# KiCad board B1_panel.kicad_pcb (continued)
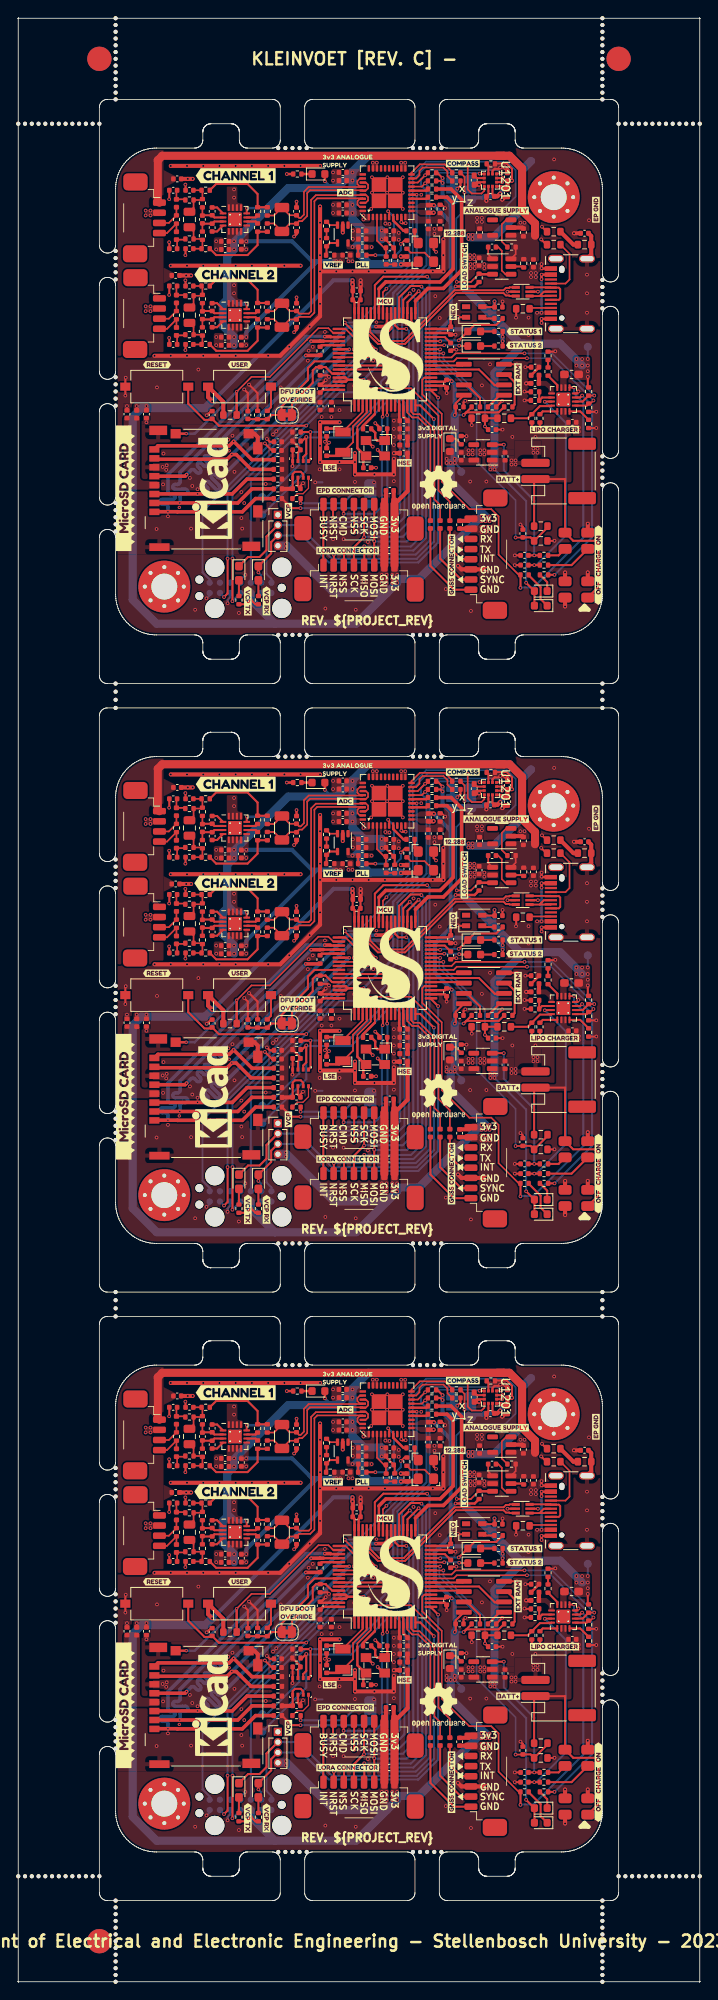
[diagram p0: board, top side]
## Routing (per net, layer and track width the routed paths; a pad name or vN(x,y) marks a point on that pad's centre or on a via; arc(x,y) is an arc through that point) (continued)
  Top w0.3: 37.6,127.21 U101#2.52
  Top w0.44: R202.1 28.8,109 27.06,107.26 v2(19.91,107.26) J204#3.2 ; 37.6,127.21 37.19,127.21 37.19,127.2 v2(36.1,127.2)
  Bottom w0.44: v2(36.1,127.2) 19.95,111.05 19.95,109.85 arc(19.86,109.64) 19.65,109.55 19.35,109.55 arc(19.14,109.46) 19.05,109.25 arc(19.14,109.04) 19.35,108.95 20.6,108.95 arc(20.81,108.86) 20.9,108.65 arc(20.81,108.44) 20.6,108.35 20.25,108.35 arc(20.04,108.26) 19.95,108.05 19.95,107.3 v2(19.91,107.26)
Board1_1-/SRAM_MISO: length 9.8
  Top w0.25: 59.88,121.76 58.74,121.76 56.79,123.71 53.9,123.71 53.9,123.71 U101#2.22
Board1_1-/SRAM_MOSI: length 4.1
  Top w0.25: U1301#2.5 54.78,124.21 U101#2.23
Board1_1-/SRAM_SCK: length 4.1
  Top w0.25: U101#2.21 54.8,123.21 U1301#2.6
Board1_1-/SWCLK: length 43
  Top w0.2: U101#2.49 40.34,128.71 43.08,125.97 v1(43.08,125.92)
  Top w0.25: v1(25.8,100.4) 25.8,96.1 v1(25.36,95.66)
  Bottom w0.25: v1(25.8,100.4) 25.8,108.6 43.08,125.88 v1(43.08,125.92) ; v1(25.36,95.66) 24.86,96.16
Board1_1-/SWDIO: length 44.9
  Top w0.2: U101#2.46 42.45,127.82 43.44,126.82 43.45,126.82 44.08,126.2 v1(44.08,126.18)
  Top w0.25: v1(26.4,95.15) v1(26.4,100.4)
  Bottom w0.25: v1(26.4,100.4) 26.4,108.5 v1(44.08,126.18) ; v1(26.4,95.15) 26.4,95.16 27.4,96.16
Board1_1-/SWO: length 39.4
  Top w0.2: U101#2.55 39.53,125.7 42.16,125.7 v1(42.18,125.72)
  Bottom w0.25: J202#3.8 23.59,97.84 22.71,98.71 22.71,106.21 42.18,125.68 v1(42.18,125.72)
Board1_1-/USB_DN: length 23.5
  Top w0.23: 61.32,133.84 60.57,133.84 60.5,133.77 60.11,133.77 59.82,133.48 53.78,133.48 47.53,127.23 44.47,127.23 43.38,128.32 43.38,129.4 43.45,129.47 U101#2.44
Board1_1-/USB_DP: length 24.1
  Top w0.23: 61.32,132.76 60.57,132.76 60.5,132.83 60.11,132.83 59.82,133.12 53.92,133.12 47.67,126.87 44.33,126.87 43.02,128.18 43.02,129.4 42.95,129.47 U101#2.45
Board1_1-/USR_BTN: length 15.7
  Top w0.25: U101#2.57 36.51,124.71 35.7,123.9 35.7,122.4 32.45,119.15 JP101#2.2 31.21,118.1 R108#2.1 R1.2 28.33,117.59 CB107#2.2
Board1_1-/V_MONITOR: length 33.2
  Top w0.2: U101#2.27 51.98,126.21 v1(52,126.18) ; v1(61.3,103) 62.18,103 CB906#3.1
  Top w0.25: R913.2 65.23,104.24 R914#3.1 63.15,103.02 CB906#3.1
  Bottom w0.2: v1(52,126.18) 51.9,126.08 51.9,124.93 56.5,120.33 56.5,112.39 61.3,107.59 v1(61.3,103)
Board1_1-/VCAP: length 2.7
  Top w0.25: C101#3.1 52.57,127.71 U101#2.30
Board1_1-/VCP_RX: length 48.3
  Top w0.25: U101#2.17 50.88,121.12 v1(51.75,120.25) ; v1(29.6,98.7) D101.1 31.18,101.05 31.18,102.44 J203#3.3
  Bottom w0.25: v1(29.6,98.7) 29.94,98.36 J202#3.13 ; J203#3.3 34.94,103.26 38.28,99.93 49.3,99.93 51.75,102.38 v1(51.75,120.25)
Board1_1-/VCP_TX: length 55.7
  Top w0.25: J203#3.2 30.6,103.13 30.6,101.46 29.74,100.6 28.32,100.6 D102#3.1 ; v1(51.22,117.6) 49.54,119.28 U101#2.16
  Bottom w0.25: J202#3.14 31.21,97.9 30.6,98.51 30.6,103.13 J203#3.2 34.53,104.53 38.68,100.38 49.11,100.38 51.22,102.49 v1(51.22,117.6)
Board1_1-/~{RST}: length 52
  Top w0.25: v1(43.85,120.9) 44.45,120.3 U101#2.7 ; SW101#3.1 20.95,119.5 22.95,117.5 23.78,117.5 CB102.1 24.74,116.78 35.48,116.78 v1(35.5,116.8)
  Bottom w0.25: v1(43.85,120.9) 39.6,120.9 v1(35.5,116.8) 28.67,109.97 J202#3.12
Board1_1-Earth: length 3.5
  Top w0.5: J206.S1 70.62,137.89 R211#2.2 70.62,140.16 C203#2.1
  vias: v1(70.1,135.4) v1(70.1,133.1) v1(70.1,130.7)
Board1_1-GND: length 293.5
  Top w0.2: R403.2 52.22,144.01 v1(52.63,143.6)
  Top w0.25: v1(59.65,119.85) 58.91,119.11 R1303#2.2 ; C204.2 31.27,113.73 v1(30.4,114.6) ; v1(27.85,121.25) 28.3,120.8 CB107#2.1 ; U1201#3.8 57.95,145.28 CB1202#2.2 ; C801.2 20.62,126.12 v1(20.6,126.1) ; U201#3.2 v1(60.3,133.3) ; CB904#2.2 v1(61.2,100.8) ; CB102.2 23.75,118.58 v1(23.23,118.07) ; v1(59.64,146.8) U1201#3.11 ; CB108.2 59.68,132.08 v1(59.7,132.1) ; CB201.2 31,114.8 v1(30.65,115.15) ; R208#2.1 65.1,139.1 v1(64.45,139.75) ; C602#2.1 18.62,127.58 v1(18.6,127.6) ; C904#2.2 v1(62.5,124) ; C501#2.2 18.62,144.72 v1(18.6,144.7) ; C702.2 20.62,146.48 v1(20.6,146.5) ; v1(18.6,139.4) 18.62,139.38 C502#3.1 ; C107#2.2 42.18,133.38 CB105.2 ; C701#2.2 20.62,137.82 v1(20.6,137.8) ; R906#3.2 v1(62.4,119.9) ; v1(66.2,125.95) 66.16,125.91 R903#2.2 ; C101#3.2 53.43,126.15 v1(54,126.15) ; v1(13.25,122.7) 13.2,122.65 SW101#3.2 v1(13.2,120.5) ; R907#3.2 71.24,116.49 v1(71.25,116.5) ; v1(18.6,132.9) 18.62,132.92 C601.2 ; v1(33.8,111.8) 33.82,111.82 33.82,112.43 33.82,112.43 CB1410.2 ; v1(61.35,130.1) 61.38,130.12 R209#3.1 ; CB903.2 v1(61.2,99.6) ; v1(20.6,134.7) 20.62,134.68 C802#3.2 ; R909#3.2 v1(64.3,116.45) ; v1(38.3,122.8) 38.11,122.99 R101#2.2 ; U1301#2.4 61.44,124.35 v1(61.45,124.35) ; R1.1 29.5,120.8 v1(28.44,121.86) ; v1(55.9,116.85) 55.88,116.88 R916.2 ; R901#2.2 v1(63.3,116.5) ; CB906#3.2 62.2,104.3 v1(61.9,104.6) ; C105#3.2 38.01,114.41 v1(38.3,114.7) ; CB1301#2.2 54.88,119.63 v1(55.1,119.85) ; D105.2 54.25,130.15 v1(54.2,130.2) ; C106#3.2 38.01,115.01 v1(37.8,114.8) ; v1(51.5,138.2) 51.2,138.5 X401#3.2 ; R919#2.1 55.24,115.51 v1(55.25,115.5) ; v1(59.99,148.6) 59.98,148.61 v1(59.41,148.61) 59.25,148.45 58.72,148.45 58.45,148.18 U1201#3.2 ; R917.2 71.24,118.49 v1(71.25,118.5) ; R914#3.2 66.09,102.59 v1(66.1,102.6) ; U901.8 68.81,120.76 v1(69.05,121) ; R210#2.1 65.15,140.7 v1(64.55,141.3) ; U1401#2.7 34.47,109.33 CB1409#2.2 34.78,109.38 v1(35.1,109.7) ; R904.2 62.44,120.96 v1(62.4,121) ; C907#3.2 56.72,136.52 ; v1(59.68,147.31) 59.67,147.3 U1201#3.12 ; CB907#3.2 v1(59.7,116.3) ; C1201.1 56.52,146.8 U1201#3.6
  Top w0.3: v1(34,140.1) 34.3,140.4 C709#2.1 ; v1(34.8,136.5) v1(32.8,136.5) v1(30.8,136.5) v1(28.8,136.5) v1(26.8,136.5) v1(24.8,136.5) v1(22.8,136.5) v1(20.8,136.5) v1(18.8,136.5) ; v1(64.5,129.45) v1(64.5,129.95) J206.A1 ; C811#2.2 v1(34.3,132.6) ; v1(37.9,122.4) 37.33,121.83 CB103#3.2 37.33,121.71 U101#2.63 ; C102#3.2 v1(44.1,111.6) ; CB902.2 46.95,117.47 U101#2.12 ; Y101#2.2 45.05,113.05 v1(44.3,113.8) ; v1(52.4,139.75) v1(52.4,137.8) v1(52.4,135.8) v1(51.1,135.8) v1(45.2,135.8) v1(43.2,135.8) v1(41.2,135.8) v1(39.2,135.8) v1(37.2,135.8) v1(37.2,137.8) v1(37.2,139.8) v1(37.2,141.8) v1(37.2,143.8) ; U101#2.18 52.56,121.71 CB104.2 v1(52.8,120.8) ; R918#2.1 v1(33.1,147.8) ; U101#2.47 41.95,132.07 CB105.2 ; v1(18.8,148.8) v1(20.8,148.8) v1(22.8,148.8) v1(24.8,148.8) v1(26.8,148.8) v1(28.8,148.8) v1(30.8,148.8) v1(32.8,148.8) v1(34.8,148.8) v1(37.2,148.8) ; C104.2 44.52,116.58 v1(44,117.1) ; U401#3.9 v1(47.22,141.88) 47.35,141.75 v1(47.75,141.75) ; Y101#2.4 42.95,114.95 v1(43.7,114.2) ; J206.A12 64.55,136.15 v1(64.5,136.2) v1(64.5,136.7) ; C809#3.1 34.3,128.6 v1(34,128.3) ; U101#2.31 53.11,128.21 CB101#2.2 53.88,128.02 v1(53.9,128) ; C711#2.2 v1(34.3,144.4)
  Top w0.5: C1201.1 56.78,146.48 v1(56.8,146.5) ; SW901#3.5 v1(67.4,94.5) ; SW901#3.2 v1(70.2,98.7) ; v1(46.3,112.7) v1(46.3,110.8) 46.28,110.78 v1(43.9,110.78) 41.53,110.78 v1(41.5,110.8) v1(41.5,112.3) v1(39.6,112.3) v1(37.2,112.3) v1(37.2,114.3) v1(37.2,117.2) v1(39.6,117.2) ; v1(21.3,135.3) v1(20.7,135.3) C416.2 ; v1(57.7,99.1) 57.68,99.07 J301#3.6 54.62,99.07 v1(54.2,99.5) ; v1(16.8,125.4) v1(18.8,125.4) v1(20.8,125.4) v1(22.8,125.4) v1(24.8,125.4) v1(26.8,125.4) v1(30.8,125.4) 32.29,125.4 v1(33.4,126.51) 33.43,126.51 v1(35.92,129) 37.2,130.28 v1(37.2,131.8) v1(37.2,133.9) v1(37.2,135.8) ; v1(37.2,135.8) v1(37.2,143.8) ; v1(37.2,135.8) v1(52.4,135.8) v1(52.4,139.75) ; C203#2.2 v1(68.5,140.5) ; v1(51.2,143.05) 51.17,143.02 C408#2.2 ; U903#2.2 62.14,141.2 C905.2 ; C901.2 v1(46.3,113.4) ; v1(42.2,134.7) v1(42.2,134.2) C107#2.2 ; v1(18.8,136.5) v1(34.8,136.5) ; v1(21.5,147.2) v1(20.9,147.2) C417.2 ; CB1201#2.2 59.97,144.97 v1(59.65,144.65) ; CB1202#2.2 57.7,145.03 v1(57.7,144.5) ; C908#3.2 v1(62.6,122) ; U402#3.2 v1(40,140.6) ; J204#3.9 29.1,115.8 29.53,115.38 J204#3.11 ; J301#3.2 55.78,104.1 C306#2.2 ; v1(18.8,148.8) v1(37.2,148.8) ; C1202#2.2 60.3,148.29 v1(59.99,148.6) ; SW901#3.6 v1(67.4,98.7) ; SW901#3.4 v1(70.2,104.7) ; J207#2.2 45.32,107.29 C205#2.2 ; 41.5,112.4 v1(41.5,113.4) ; v1(47.15,137.65) 47.17,137.63 CB401.2
  Top w1: J207#2.2 J205.2
  Bottom w0.25: v1(23.2,95.5) 23.59,95.89 23.59,96.16 ; J202#3.11 27.4,97.8 v1(28,98.4) ; v1(25.8,94.9) 25.8,95.29 26.13,95.62 26.13,96.16 ; 37.5,109.8 v1(36.6,109.8) ; 55.2,147.45 55.35,147.6 55.54,147.6
  vias: v1(13.4,119.2) v1(15.7,143.3) v1(15.7,142.7) v1(15.7,131.5) v1(15.7,130.9) v1(15.8,117.2) v1(16.3,143.3) v1(16.3,142.7) v1(16.3,131.5) v1(16.3,130.9) v1(17.1,121.5) v1(17.05,104.05) v1(17.8,111.7) v1(17.85,109.55) v1(17.9,113.35) v1(18.24,111.35) v1(18.3,111.9) v1(18.45,105.61) v1(21.16,110.35) v1(21.3,104.1) v1(21.45,109.35) v1(21.8,94.1) v1(22.1,108.95) v1(22.2,123.7) v1(24.4,139.51) v1(24.4,138.51) v1(24.4,127.71) v1(24.4,126.71) v1(25.9,115.05) v1(26.4,115.55) v1(26.6,145.9) v1(26.6,144.9) v1(26.6,134.1) v1(26.6,133.1) v1(26.65,111.1) v1(27.2,93.7) v1(27.5,108.6) v1(27.5,105.4) v1(27.6,104.1) v1(27.85,107.25) v1(28.1,138.51) v1(28.1,126.71) v1(30.5,109.6) v1(32.35,121.5) v1(35.7,124.8) v1(35.8,126.02) v1(36.3,126.5) v1(37.15,111.4) v1(37.4,117.85) v1(37.8,128.34) v1(37.85,94.25) v1(38.6,117.85) v1(38.8,148) v1(38.8,147) v1(38.8,144) v1(38.8,143) v1(38.8,102.8) v1(39.6,118.7) v1(39.6,111.4) v1(40.1,102.8) v1(40.15,97.6) v1(40.7,137.05) v1(41.25,140.8) v1(41.25,139.8) v1(41.2,137.05) v1(41.35,126.19) v1(41.4,121.7) v1(41.5,109.85) v1(41.6,94.1) v1(42.55,142.7) v1(42.55,142.2) v1(42.6,97.55) v1(43.1,102.45) v1(43.17,122.27) v1(43.5,143.5) v1(43.6,147.4) v1(43.6,145.5) v1(43.55,138.8) v1(43.7,149.2) v1(43.75,124.8) v1(43.85,109.8) v1(44.2,149.2) v1(44.8,98.4) v1(44.8,97.9) v1(44.8,97.4) v1(45.25,141.7) v1(45.25,126.4) v1(45.4,98.4) v1(45.4,97.9) v1(45.4,97.4) v1(45.5,147.4) v1(45.47,145.5) v1(45.5,127.75) v1(45.55,132.15) v1(45.75,141.65) v1(46.3,117.4) v1(46.3,116.4) v1(46.3,115.4) v1(46.3,114.4) v1(46.3,109.95) v1(46.8,123.75) v1(46.9,140.55) v1(46.9,139.7) v1(47.2,149.2) v1(47.4,147.4) v1(47.4,145.5) v1(47.4,143.5) v1(47.6,122.2) v1(47.7,149.2) v1(47.91,129.29) v1(48.72,133.52) v1(49.68,145.25) v1(51.3,141.05) v1(51.3,140.45) v1(51.4,132.75) v1(51.95,130.05) v1(52.7,96.65) v1(53.4,98) v1(54.6,101.6) v1(55.5,113.75) v1(55.5,113.25) v1(55.7,109.9) v1(55.75,136.7) v1(55.75,136.2) v1(55.8,93.95) v1(56,113.75) v1(56,113.25) v1(56.25,136.7) v1(56.25,136.2) v1(56.55,142.4) v1(56.55,141.9) v1(56.95,113.75) v1(56.95,113.25) v1(57.1,104.3) v1(57.1,103.7) v1(57.15,142.4) v1(57.15,141.9) v1(57.15,121.75) v1(57.45,136.7) v1(57.45,136.2) v1(57.45,113.75) v1(57.45,113.25) v1(57.6,104.3) v1(57.6,103.7) v1(57.7,109.9) v1(58.1,104.3) v1(58.1,103.7) v1(58.15,124.35) v1(60.8,112.5) v1(60.8,112) v1(60.9,115.4) v1(61.3,112.5) v1(61.3,112) v1(61.9,141.8) v1(62.4,141.8) v1(62.9,130.1) v1(62.9,127.95) v1(63.2,135.6) v1(63.2,135.1) v1(63.5,113.95) v1(63.5,113.45) v1(63.8,135.6) v1(63.8,135.1) v1(63.75,115.4) v1(64,113.95) v1(64,113.45) v1(66.05,149.6) v1(68.5,116.55) v1(68.5,116.05) v1(69.1,116.55) v1(69.1,116.05) v1(70.35,142.1) v2(19.85,106.71) v2(26,113.7) v2(44.15,129.55)
Board1_1-Net-(C104-Pad1): length 4.3
  Top w0.3: R106.1 44,115.91 44,115.2 44.25,114.95 Y101#2.3 45.48,115.27 C104.1
Board1_1-Net-(D101-A): length 1.9
  Top w0.25: D101.2 R102#3.2
Board1_1-Net-(D102-A): length 1.9
  Top w0.25: D102#3.2 R103#3.2
Board1_1-Net-(D103-A): length 1.7
  Top w0.25: D103.2 R105.1
Board1_1-Net-(D104-A): length 1.7
  Top w0.25: D104#3.2 R107#2.1
Board1_1-Net-(D105-DIN): length 1.6
  Top w0.25: D105.3 57.35,130 R104#3.1
Board1_1-Net-(D901-K): length 2.4
  Top w0.25: R905.2 65.2,97.5 D901.1
Board1_1-Net-(D902-K): length 4.7
  Top w0.25: R908.2 62.92,98.35 64.38,96.88 64.38,95.41 D902#3.1
Board1_1-Net-(D903-K): length 1.3
  Top w0.3: D903.1 R918#2.2
Board1_1-Net-(D904-K): length 1.7
  Top w0.25: D904#3.1 53.9,115.19 R919#2.2
Board1_1-Net-(J301-Pin_5): length 5.6
  Top w0.25: 53.2,104.12 53.2,101.7 54.57,100.32 J301#3.5
Board1_1-Net-(JP401-C): length 2.7
  Top w0.2: v1(55,145.5) 55.01,145.51 55.01,147.45 R408.2
Board1_1-Net-(JP402-C): length 1.1
  Top w0.25: v1(54.12,145.99) 54.51,146.39 R407.2
Board1_1-Net-(R108-Pad2): length 3.2
  Top w0.25: R108#2.2 31.15,119.06 SW102.2
Board1_1-Net-(R210-Pad2): length 2.8
  Top w0.5: R210#2.2 68.43,139.1 R211#2.1
Board1_1-Net-(R902-Pad2): length 0.9
  Top w0.25: R902#3.2 R903#2.1
Board1_1-Net-(U401-ADDR0/CLATCH): length 6.9
  Top w0.2: U401#3.19 49.05,147.25 49.45,147.65 49.45,148.2 49.85,148.6 52.41,148.6 52.9,148.11 52.9,147.54 R407.1
Board1_1-Net-(U401-ADDR1/CIN): length 6.2
  Top w0.2: U401#3.20 48.47,147.97 49.5,149 52.57,149 53.49,148.08 R408.1
Board1_1-Net-(U903-EN): length 4.5
  Top w0.2: R921#3.1 59.6,139.49 59.6,141.6 60.15,142.15 U903#2.3
Board1_1-Net-(U904-QOD): length 1.6
  Top w0.25: U904.5 62.19,136.4 R922.1
Board1_1-Net-(U1301-NU): length 4.9
  Top w0.25: U1301#2.3 60.25,123.09 61.18,122.16 61.18,119.37 R1301#2.2
Board1_1-Net-(U1301-~{CS}): length 2.6
  Top w0.25: R1303#2.1 59.34,120.54 U1301#2.1
Board1_1-Net-(U1301-~{HOLD}): length 3.8
  Top w0.25: R1302#2.2 56.91,120.21 55.3,121.81 U1301#2.7
Board1_1-Net-(X401-Tri-State): length 4
  Top w0.2: X401#3.1 50.09,138.11 48.38,138.11 R404#3.2
Board1_1-VBUS: length 9.7
  Top w0.25: U201#3.5 v1(64.05,133.3)
  Top w0.3: C904#2.1 64.18,123.97 63.22,123 ; J206.A9 v1(64.5,135.4) v1(64.5,134.85)
  Bottom w0.3: v1(64.5,135.4) 64.5,133.3 ; 64.5,133.3 v1(64.05,133.3) ; 64.5,133.3 v1(64.5,130.7) v1(63.95,130.7)
Board1_1-VCC: length 66.9
  Top w0.2: U904.1 57.92,137.89 C912.2
  Top w0.25: D105.4 57.25,131.4 CB108.1 58.72,132.08 v1(58.7,132.1) ; D902#3.2 D901.2 v1(62.6,97.42) ; R912#3.2 70.2,121.61 v1(70.2,122.8)
  Bottom w0.25: v1(62.6,97.42) 62.6,107.5 v1(58.7,111.4) ; v1(70.2,125) 70.2,126.2 70.5,126.5
  Bottom w0.5: v1(58.7,132.1) 58.7,130.05 59,129.75
  Bottom w1: 62.33,126.9 66.8,126.9 v1(69.5,124.2) ; 62.33,126.9 61.85,126.9 54.9,133.85 54.9,135.85 54.9,135.85 54.9,137.25 55.05,137.4 ; 62.33,126.9 58.7,123.27 v1(58.7,111.9)
  vias: v1(55.7,137.8) v1(55.7,137.3) v1(56.2,137.8) v1(56.2,137.3) v1(58.2,111.9) v1(58.2,111.4) v1(68.8,125) v1(68.8,124.2) v1(69.5,125) v1(70.2,124.2) v1(70.2,123.5)
Board1_1-VCC_LOAD_SWITCH: length 62.6
  Top w0.2: U904.6 61.31,137.92 R921#3.2
  Top w1: 63.7,140.2 63.7,141.7 62.1,143.3 62.1,148.5 60.55,150.05 59,150.05 ; 59.85,150.05 59.85,150.05 17.75,150.05 17.2,149.5 17.2,144.47 J501.4
Board1_2-+3.3VA: length 3.1
  Top w0.3: U101.13 47.45,42.97 47.98,42.44 CB902#3.1
  Top w0.5: FB901#2.2 47.98,39.41 C902.1
Board1_2-+3.3VADC: length 114.6
  Top w0.2: R404.1 47.58,64.61 v1(47.16,64.18)
  Top w0.25: U701#3.12 28.16,68.56 v1(28.2,68.6) ; C403#3.1 45.32,64.67 46.4,63.59 R414#3.2 ; U801#2.12 28.16,56.76 v1(28.2,56.8) ; C415#2.1 41.89,63.77 R413#2.2
  Top w0.3: D903#3.2 37.8,72.79 v1(37.8,71.9)
  Top w0.5: v1(47.17,61.65) 47.19,61.67 CB401#3.1 48.97,61.67 X401.4
  Bottom w0.25: v1(47.16,64.18) 47.16,63.44 45.42,61.7 43.3,61.7
  Bottom w0.3: 39.28,71.07 38.62,71.07 v1(37.8,71.9) ; 31,68.8 30.8,68.6 v1(28.2,68.6)
  Bottom w0.5: v1(28.2,56.8) 26.95,56.8 25.75,58 ; v1(41.2,63.8) 41.83,64.43 42.15,64.43
  Bottom w1: v1(26.6,51.71) v1(26.6,52.71) 25.2,54.11 25.2,56.77 25.75,57.32 25.75,62.66 v1(26.6,63.51) 26.6,64.4 33.28,71.07 39.28,71.07 v1(41.2,73) ; 41.2,67.24 42.59,65.85 v1(44.8,65.85) v1(44.8,64.75) ; 41.2,67.24 42.15,66.29 42.15,64.43 ; 41.2,67.24 v1(41.2,68) v1(41.2,69) v1(41.2,72) v1(41.2,73) ; v1(41.2,73) 41.2,73.11 43.14,75.05 60.55,75.05 62.1,73.5 ; TP904.1 62.3,73.5 62.1,73.5 ; 42.15,65.7 42.15,62.85 43.3,61.7 47.12,61.7 ; 62.1,73.5 62.1,68.5 58.6,65 55.65,65
  vias: v1(26.6,64.51) v1(55.5,65.3) v1(55.5,64.8) v1(56,65.3) v1(56,64.8)
Board1_2-+3V3: length 290.7
  Top w0.25: v1(52.3,71.7) 52.05,71.95 R412#3.2 ; R1302.1 55.89,44.09 v1(54.9,43.1) 55.23,43.43 59.22,43.43 R1301#3.1 ; 53.44,47.37 v1(53.44,47.26) 53.27,47.43 CB104#3.1 ; U1401#3.6 35.12,35.8 34.82,36.1 34.1,36.1 33.82,35.82 33.82,34.03 CB1409#3.1 ; R201#3.2 33.69,31.62 v1(34.79,31.62) ; U1201#2.9 58.45,70.28 CB1202.1 ; R102#2.1 29.22,19.78 v1(28.67,20.33) 28.12,19.78 R103#2.1 ; R107.2 59.71,52.19 v1(59.7,52.2) ; v1(53.8,43.1) 53.92,43.22 CB1301.1 53.92,44.54 U1301.8 ; CB105#2.1 41.22,58.38 C107.1 ; v1(52.3,72.3) 51.65,72.95 R410#2.2 ; U1201#2.10 59.46,71.29 v1(59.6,71.15) ; v1(59.71,52.75) R105#2.2 ; R1201#3.1 58.81,74.1 60.2,74.1 60.86,73.44 60.86,71.99 v1(60.85,71.97) ; U1401#3.2 34.47,38.5 CB1410#2.1 34.78,38.91 R1401#2.2
  Top w0.3: U101.19 52.58,47.21 CB104#3.1 ; CB105#2.1 41.45,57.07 U101.48 ; v1(53.3,54.9) CB101.1 53.03,53.71 U101.32 ; U101.64 37.55,46.21 CB103.1 ; v1(53.9,58.94) 56.25,58.94 R920.2
  Top w0.5: v1(60.85,71.97) 60.31,71.97 C1202.1 CB1201#3.1 59.82,70.93 v1(59.6,71.15) ; R206.1 25.28,44.72 SW102#3.1 23.4,45.3 v1(23.9,44.8) ; C205.1 46.28,32.19 J207#3.1 47.98,33.71 C901#3.1 ; v1(59.4,70.4) 59.05,70.05 CB1202.1 ; C107.1 41.24,59.16 v1(41.2,59.2) v1(41.2,59.7) ; CB1409#3.1 33.79,34 R202#3.2 ; v1(51.23,68.95) 51.2,68.98 C408#3.1 ; C306.1 55.53,30.06 J301#2.1
  Top w1: J207#3.1 J205#3.1
  Bottom w0.25: v1(53.8,43.1) v1(54.9,43.1) ; TP903#3.1 54.6,36.4 v1(53.8,37.2) ; v1(59.7,52.2) 59.7,52.74 v1(59.71,52.75) ; JP1401#3.3 42.92,31.62 v1(34.79,31.62)
  Bottom w0.3: v1(36.2,45.6) 35.9,45.3 v1(35.9,45.2) v1(31.8,41.1) v1(31.4,40.7) ; 53.3,57.1 53.3,58.34 v1(53.9,58.94)
  Bottom w0.5: 52.07,53.68 v1(53.3,54.9) 53.3,66.75 ; 52.07,53.68 58.62,53.68 59.7,52.6 v1(59.7,52.2) ; 52.07,53.68 51.35,52.95 51.35,49.35 53.8,46.9 v1(53.8,43.1) ; v1(51.23,68.95) 53.3,66.88 53.3,66.75 ; v1(59.6,71.15) 59.6,70.6 v1(59.4,70.4) 59.1,70.1 57.95,70.1 57.95,70.1 57.45,70.1 57.25,69.9 53.3,69.9 53.3,69.15 ; 53.3,69.15 52.3,70.15 v1(52.3,71.7) v1(52.3,72.3) ; 53.3,69.15 53.3,68.8 ; 53.3,68.8 53.3,66.75 ; 53.3,68.8 53.3,69.4 ; v1(41.2,59.7) 38.85,59.7 23.95,44.8 v1(23.9,44.8)
  Bottom w1: 45.44,21.16 41.65,17.37 31.63,17.37 ; 45.44,21.16 38.94,21.16 33.11,26.99 J203.4 ; 45.44,21.16 46.7,22.43 46.6,22.5 v1(46.7,22.9) 49.4,22.9 v1(57.1,30.6) v1(57.6,30.6) 53.3,34.9 v1(53.3,37.2) ; 31.63,17.37 17.06,17.37 14.1,20.33 14.1,42.85 15.2,43.95 23.05,43.95 v1(23.9,44.8) ; 31.63,17.37 v1(28.67,20.33) 28.67,21.16 ; v1(53.8,37.7) v1(53.8,43.1)
  vias: v1(14.6,44.2) v1(15.8,44.2) v1(33,27.2) v1(33,26.7) v1(46.1,23.4) v1(46.1,22.9) v1(46.1,22.4) v1(46.7,23.4) v1(46.7,22.4) v1(52.8,37.7) v1(52.8,37.2) v1(57.1,30) v1(57.6,30) v1(58.1,30.6) v1(58.1,30)
Board1_2-+BATT: length 27.9
  Top w0.25: SW901.1 71.5,21.9 71.5,27.2 71.1,27.6 68.4,27.6 SW901.8 67.4,35.2 J201#2.1 63.58,35.03 R913#2.1
Board1_2-/ADC_Interface/ADC_1_N: length 17.9
  Top w0.2: U401.32 42.11,72.25 41.8,71.94 41.8,71.56 42.11,71.25 U401.34 42.41,71.2 35.8,71.2 35.21,70.61 35.21,67.8 34.82,67.4 34.62,67.4 C711.1 33.46,67.72 32.5,68.68 31.51,67.69 R710#2.1
Board1_2-/ADC_Interface/ADC_1_P: length 17.9
  Top w0.2: U401.33 42.85,71.75 43.12,71.49 43.12,71.04 42.82,70.75 U401.35 42.41,70.8 35.97,70.8 35.61,70.45 35.61,67.63 34.98,67 34.62,67 C709#3.2 33.46,66.68 C710.1 31.51,66.71 R709.1
Board1_2-/ADC_Interface/ADC_2_N: length 28.8
  Top w0.2: U401.38 42.82,69.25 43.12,69.54 43.12,69.96 42.82,70.25 U401.36 42.41,70.2 36.69,70.2 36.1,69.61 36.1,55.88 35.82,55.6 34.62,55.6 C811.1 33.46,55.92 C810#2.2 31.51,55.89 R810#3.1
Board1_2-/ADC_Interface/ADC_2_P: length 28.8
  Top w0.2: U401.39 42.1,68.75 41.81,69.03 41.81,69.46 42.11,69.75 U401.37 42.41,69.8 36.85,69.8 36.5,69.45 36.5,55.72 35.98,55.2 34.62,55.2 C809.2 33.46,54.88 C810#2.1 31.51,54.91 R809#3.1
Board1_2-/ADC_Interface/ADC_AA_1/FB: length 1.6
  Top w0.25: C706#2.1 24.51,65.72 U701#3.4
Board1_2-/ADC_Interface/ADC_AA_1/FB_N: length 4.9
  Top w0.2: C701.1 R705.2 22.7,63.71 R703.2 22.59,64.8 R701.1 21.61,65.74 C703#3.2
Board1_2-/ADC_Interface/ADC_AA_1/FB_P: length 4.9
  Top w0.2: C703#3.1 21.61,68.66 R702#3.1 22.59,69.6 R704#3.2 22.7,70.69 R706.2 C702#3.1
Board1_2-/ADC_Interface/ADC_AA_1/IN: length 3.7
  Top w0.2: R704#3.1 C704#3.1
  Top w0.25: C704#3.1 22.74,67.72 C707#3.2 24.17,67.45 U701#3.2
Board1_2-/ADC_Interface/ADC_AA_1/OUT: length 1.4
  Top w0.25: U701#3.10 29.26,66.95 R707.2
Board1_2-/ADC_Interface/ADC_AA_1/OUT_DRIVER: length 9.6
  Top w0.25: R709.2 R707.1 29.5,64.05 28.26,62.81 24.4,62.81 R705.1
Board1_2-/ADC_Interface/ADC_AA_1/~{FB}: length 1.6
  Top w0.25: C707#3.1 24.51,68.68 U701#3.1
Board1_2-/ADC_Interface/ADC_AA_1/~{IN}: length 3.7
  Top w0.2: R703.1 C704#3.2
  Top w0.25: C704#3.2 22.74,66.68 C706#2.2 24.17,66.95 U701#3.3
Board1_2-/ADC_Interface/ADC_AA_1/~{OUT_DRIVER}: length 9.6
  Top w0.25: R706.1 24.38,71.57 28.26,71.57 29.5,70.34 29.5,68.7 ; R710#2.2 R708#3.1
Board1_2-/ADC_Interface/ADC_AA_1/~{OUT}: length 1.4
  Top w0.25: U701#3.11 29.26,67.45 R708#3.2
Board1_2-/ADC_Interface/ADC_AA_2/FB: length 1.6
  Top w0.25: U801#2.4 24.51,53.92 C806#3.1
Board1_2-/ADC_Interface/ADC_AA_2/FB_N: length 4.9
  Top w0.2: C803.2 21.61,53.94 R801#3.1 22.59,53 R803#3.2 22.7,51.91 R805.2 C801#2.1
Board1_2-/ADC_Interface/ADC_AA_2/FB_P: length 4.9
  Top w0.2: C803.1 21.61,56.86 R802#3.1 22.59,57.8 R804#3.2 22.7,58.89 R806#2.2 C802.1
Board1_2-/ADC_Interface/ADC_AA_2/IN: length 3.7
  Top w0.2: R804#3.1 C804#2.1
  Top w0.25: C804#2.1 22.74,55.92 C807#3.2 24.17,55.65 U801#2.2
Board1_2-/ADC_Interface/ADC_AA_2/OUT: length 1.4
  Top w0.25: R807.2 29.26,55.15 U801#2.10
Board1_2-/ADC_Interface/ADC_AA_2/OUT_DRIVER: length 9.6
  Top w0.25: R805.1 24.4,51.01 28.26,51.01 29.5,52.25 R807.1 R809#3.2
Board1_2-/ADC_Interface/ADC_AA_2/~{FB}: length 1.6
  Top w0.25: C807#3.1 24.51,56.88 U801#2.1
Board1_2-/ADC_Interface/ADC_AA_2/~{IN}: length 3.7
  Top w0.2: R803#3.1 C804#2.2
  Top w0.25: C804#2.2 22.74,54.88 C806#3.2 24.17,55.15 U801#2.3
Board1_2-/ADC_Interface/ADC_AA_2/~{OUT_DRIVER}: length 9.6
  Top w0.25: R806#2.1 24.38,59.78 28.26,59.78 29.5,58.54 29.5,56.9 ; R810#3.2 R808.1
Board1_2-/ADC_Interface/ADC_AA_2/~{OUT}: length 1.4
  Top w0.25: R808.2 29.26,55.65 U801#2.11
Board1_2-/ADC_Interface/ADC_PORT_1_SIG_N: length 2.3
  Top w0.2: R701.2 20.5,64.72 19.5,64.72 19.58,64.63 C502#2.2
Board1_2-/ADC_Interface/ADC_PORT_1_SIG_P: length 2.3
  Top w0.2: C501#3.1 19.5,70.72 FB501#3.2 20.5,69.69 R702#3.2
Board1_2-/ADC_Interface/ADC_PORT_2_SIG_N: length 2.3
  Top w0.2: R801#3.2 20.5,52.91 FB602#3.2 19.58,52.84 C602.2
Board1_2-/ADC_Interface/ADC_PORT_2_SIG_P: length 2.3
  Top w0.2: C601#3.1 19.5,58.92 19.5,57.88 20.5,57.88 R802#3.2
Board1_2-/ADC_Interface/ADC_~{RST}: length 9.2
  Top w0.2: U401.6 45.72,68.09 v1(45.59,68.21)
  Top w0.25: R413#2.1 v1(44.02,62.8)
  Bottom w0.25: v1(44.02,62.8) 45.2,62.8 46.3,63.9 46.3,67.5 v1(45.59,68.21)
Board1_2-/ADC_Interface/BCLK: length 2.1
  Top w0.3: U401.16 48.47,70.75 50.29,70.75 R409#2.2
Board1_2-/ADC_Interface/CLK: length 2.6
  Top w0.3: U401.7 46.22,67.07 47.48,65.8 R405#2.1
Board1_2-/ADC_Interface/CLK_12.288: length 1.7
  Top w0.3: X401.3 48.86,64.74 R405#2.2
Board1_2-/ADC_Interface/FB: length 1.5
  Top w0.2: R401#3.2 38.41,66.5 U402#2.3
Board1_2-/ADC_Interface/FB_MID: length 1
  Top w0.2: R401#3.1 R402#2.2
Board1_2-/ADC_Interface/PLL: length 5.5
  Top w0.2: U401.3 44.22,64.59 45.11,63.7 C414#3.1 45.32,62.66 C413#3.1
Board1_2-/ADC_Interface/PLL_MID: length 1.1
  Top w0.2: R414#3.1 46.37,61.67 C413#3.2
Board1_2-/ADC_Interface/SDATA: length 2.1
  Top w0.3: R411#2.2 50.29,69.75 48.47,69.75 U401.14
Board1_2-/ADC_Interface/Sensor_Conn_1/SIG_CONN_N: length 3.6
  Top w0.2: J501#2.1 18.34,65.53 R501#2.2 FB502#3.1
Board1_2-/ADC_Interface/Sensor_Conn_1/SIG_CONN_P: length 3.5
  Top w0.2: J501#2.2 18.56,66.78 R501#2.1 19.5,68.72
Board1_2-/ADC_Interface/Sensor_Conn_2/SIG_CONN_N: length 3.6
  Top w0.2: 19.5,53.88 R601#3.2 18.34,53.72 J601#3.1
Board1_2-/ADC_Interface/Sensor_Conn_2/SIG_CONN_P: length 3.5
  Top w0.2: FB601#2.1 R601#3.1 18.56,54.97 J601#3.2
Board1_2-/ADC_Interface/VCM: length 27.4
  Bottom w0.5: v1(28.1,64.51) 33.74,64.51 36.2,62.05 v1(39.2,62.05) 36.85,62.05 28.1,53.3 v1(28.1,52.71)
  vias: v1(39.7,62.05)
Board1_2-/ADC_Interface/VREF_BUFF: length 2.6
  Top w0.25: R406#2.2 38,62.86 R402#2.1 38.41,64.3 U402#2.4
Board1_2-/ADC_SAI_BCLK: length 21.2
  Top w0.3: U101.33 48.95,57.15
  Top w0.44: R409#2.1 53.35,70.95 54.65,69.65 54.65,60.95 52.4,58.7 50.5,58.7 48.95,57.15
Board1_2-/ADC_SAI_FS: length 30.5
  Top w0.3: U101.61 40.34,47.71 40.6,47.45 ; U101.62 40.36,47.21 40.6,47.45 ; U401.15 v2(49.12,70.25) ; 40.6,47.45 42.54,47.45 v2(42.57,47.47)
  Bottom w0.3: v2(49.12,70.25) 49.1,70.22 49.1,61.01 46.2,58.11 46.2,51.11 42.57,47.48 v2(42.57,47.47)
Board1_2-/ADC_SAI_SD_B: length 23.7
  Top w0.3: 44.45,58.65 U101.42
  Top w0.44: 44.45,58.65 45.3,59.5 52,59.5 53.6,61.1 53.6,69.2 52.85,69.95 R411#2.1
Board1_2-/BATT_~{CHG}: length 63.4
  Top w0.2: U101.20 50.06,47.71 49.8,47.45 49.8,45.65 52.2,43.25 52.2,34.9 55.6,31.5 58.3,31.5 59.2,30.6 59.2,25.89 61.69,23.4 R908#2.1
  Top w0.25: U901#2.9 67.97,46.5 v1(68.5,46.5) ; R908#2.1 61.9,23.4 v1(61.9,21.8)
  Bottom w0.25: v1(61.9,21.8) 61.95,21.85 63.5,21.85 69.65,28 69.65,44.61 68.5,45.76 v1(68.5,46.5)
Board1_2-/BOOT0: length 10.3
  Top w0.25: JP101#3.1 33.75,44.53 36.3,47.08 36.3,48.6 36.71,49.01 R101#3.1 37.89,49.01 37.9,49 37.9,48.99 38.68,48.21 U101.60
Board1_2-/CHARGE_EN1: length 25.1
  Top w0.2: R912#2.1 70.31,45.5 v1(71,45.5) ; U101.25 50.88,50.2 53.41,50.2 53.91,50.7 v1(62.4,50.7)
  Top w0.25: R912#2.1 69.57,44.76 U901#2.6
  Bottom w0.2: v1(62.4,50.7) 65.8,50.7 v1(71,45.5)
